# KiCad board motorgo_core_panel.kicad_pcb (continued)
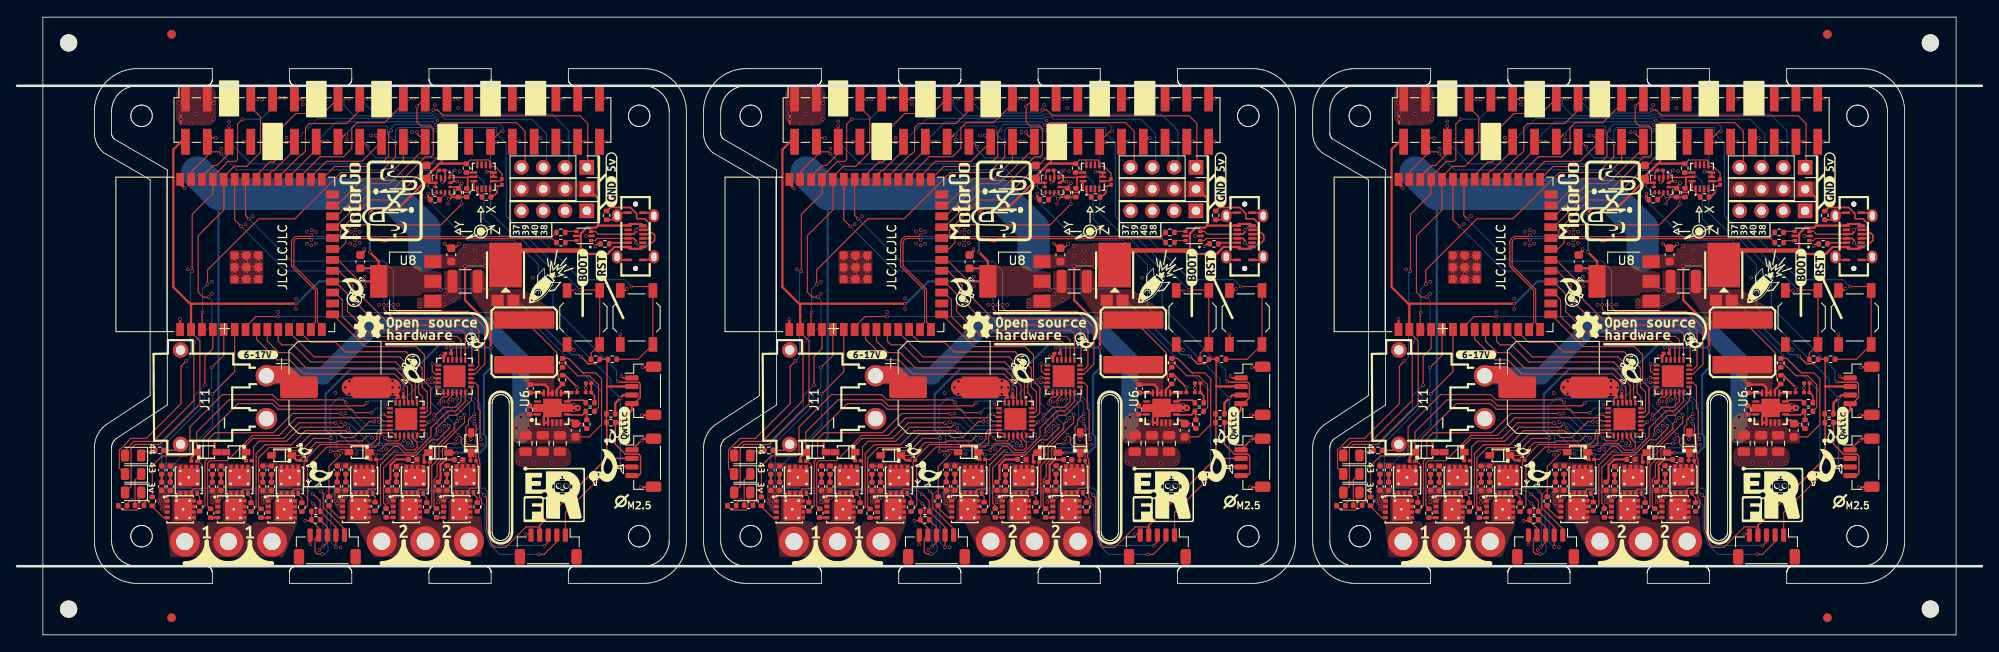
[diagram p0: board, top side]
## Routing (per net, layer and track width the routed paths; a pad name or vN(x,y) marks a point on that pad's centre or on a via; arc(x,y) is an arc through that point) (continued)
Board_2-Net-(U3-VS2): length 26.9
  Top w0.12: v1(187.1,22.65) U3#2.15 ; 168.22,16.38 168.22,16.8 168.4,16.97 169.32,16.97 169.53,17.17 169.53,21.9 170.2,22.57 173.4,22.57 175.03,24.2 179.86,24.2 v1(180.24,24.58)
  Bottom w0.12: v1(187.1,22.65) 186.8,22.35 183.05,22.35 180.82,24.58 v1(180.24,24.58)
Board_2-Net-(U3-VS3): length 16.9
  Top w0.12: 174.1,16.38 174.1,16.8 174.31,17 175.22,17 175.45,17.23 175.45,20.31 177.33,22.19 183.29,22.19 183.94,22.83 183.94,23.58 184.25,23.9 U3#2.12
Board_2-Net-(U4-HO1): length 21.5
  Top w0.12: 194.95,28.9 194.95,27.34 193.21,25.6 192.4,25.6 190.84,24.05 190.84,23.38 v1(190.86,23.36) ; R27#2.1 184.35,15.08 184.35,19.8 185.97,21.42 v1(186.2,21.42)
  Bottom w0.12: v1(186.2,21.42) 186.38,21.25 188.8,21.25 190.86,23.31 v1(190.86,23.36)
Board_2-Net-(U4-HO2): length 16
  Top w0.12: v1(193.28,27.54) 193.22,27.6 U4.16 ; v1(194.14,25.64) 194.14,24.74 191.16,21.76 191.16,20.56 190.32,19.72 190.32,14.97 R23.1
  Bottom w0.12: v1(194.14,25.64) 193.28,26.5 v1(193.28,27.54)
Board_2-Net-(U4-HO3): length 17.8
  Top w0.12: v1(191.34,28.21) 191.69,28.21 U4.13 ; R21.1 196.13,14.9 196.13,15.77 195.9,16 195.9,17.18 195.94,17.23 195.94,19.95 195.9,19.99 195.9,20.5 195.78,20.62 195.78,22.26 195.5,22.54 195.5,24.41 v1(195.3,24.61)
  Bottom w0.12: v1(195.3,24.61) 195.23,24.61 194.72,25.12 194.72,27.02 193.53,28.21 v1(191.34,28.21)
Board_2-Net-(U4-LO1): length 25.4
  Top w0.12: R26#3.2 178.35,19.62 179.73,21 v1(179.73,21.19) ; U4.11 190.4,29.4 v1(190.36,29.45)
  Bottom w0.12: v1(190.36,29.45) 190.25,29.34 189.04,29.34 187.3,27.6 179.4,27.6 178.46,26.66 178.46,24.03 179.2,23.29 179.2,21.72 v1(179.73,21.19)
Board_2-Net-(U4-LO2): length 22.7
  Top w0.12: R22#3.2 184.97,14.74 184.97,15.08 184.71,15.34 184.71,19.49 186.18,20.95 188.47,20.95 190.25,22.73 191.03,22.73 192.35,24.05 v1(192.35,24.38) ; v1(190.37,30) 190.64,30 190.73,29.9 U4.10
  Bottom w0.12: v1(190.37,30) 190.58,30 190.94,29.64 190.94,29.3 190.2,28.56 190.2,27.09 191.79,25.5 191.79,24.96 192.35,24.4 v1(192.35,24.38)
Board_2-Net-(U4-LO3): length 24.7
  Top w0.12: R20.2 190.59,15.01 190.59,18.08 190.95,18.44 190.95,19.9 191.58,20.53 191.58,21.66 192.22,22.3 v1(193,22.3) ; v1(190.38,31.57) 190.38,30.75 190.73,30.4 U4.9
  Bottom w0.12: v1(190.38,31.57) 191.33,31.57 195.92,26.98 195.92,24.22 195.46,23.76 194.86,23.76 193.4,22.3 v1(193,22.3)
Board_2-Net-(U4-VS1): length 20.5
  Top w0.12: U4.18 194.22,27.19 193.14,26.1 192.2,26.1 190.22,24.12 190.22,23.12 188.32,21.22 187.14,21.22 186.39,21.97 185.9,21.97 184.38,20.45 C34.1 183.97,20.3 183.97,17.2 183.76,16.98 182.93,16.98 182.78,16.83 182.78,16.41
Board_2-Net-(U4-VS2): length 14.9
  Top w0.12: 188.68,16.41 188.68,16.83 188.82,16.98 189.74,16.98 190.05,17.29 190.05,20.08 C39#3.1 190.79,20.82 190.79,21.84 193,24.05 193,24.6 v1(193.3,24.9) ; v1(192.25,27.17) 192.25,27.47 192.72,27.95 U4.15
  Bottom w0.12: v1(193.3,24.9) 193.28,24.92 193.28,25.68 192.25,26.71 v1(192.25,27.17)
Board_2-Net-(U4-VS3): length 18.4
  Top w0.12: v1(190.91,28.55) 190.91,28.74 U4.12 ; v1(195.3,25.71) 195.27,25.71 194.6,25.04 194.6,24.5 194.3,24.2 194.3,22.4 194.56,22.14 195.22,22.14 195.47,21.89 195.47,20.09 195.71,19.85 195.71,17.33 195.48,17.1 194.83,17.1 194.56,16.83 194.56,16.41
  Bottom w0.12: v1(195.3,25.71) 195.3,27.04 193.69,28.65 191.01,28.65 v1(190.91,28.55)
Board_2-Net-(U6-BOOT): length 1.6
  Top w0.25: C22#3.2 202.72,28.22 202.76,28.17 U6#3.13
Board_2-Net-(U6-COMP): length 2.2
  Top w0.18: R19#2.1 207.97,27.35 206.21,27.35
Board_2-Net-(U6-EN): length 3.7
  Top w0.12: R17#2.1 205.06,29.74 205.06,30.69 R16#3.2
  Top w0.25: R17#2.1 204.88,28.56 U6#3.10
Board_2-Net-(U6-RT/CLK): length 1
  Top w0.18: 202.66,25.64 202.61,25.69 R18#3.1
Board_2-Net-(U6-SS/TR): length 1.2
  Top w0.25: U6#3.9 206.57,28.17
Board_2-Net-(U6-VSENSE): length 3.4
  Top w0.18: 206.11,25.64 207.87,25.64 R24.2 208.38,25.94 R25#2.1
Board_2-Net-(U10-C1): length 0.9
  Top w0.12: C30.2 190.89,53.85 U10.4
Board_2-Net-(U10-SD0/SA1): length 1.1
  Top w0.12: 191.26,50.74 191.89,51.37 U10.9
Board_2-Net-(U11-CS): length 0.9
  Top w0.18: R50#2.1 195.23,53.89
Board_2-Net-(U11-SDO/SA0): length 1.2
  Top w0.12: R49.1 195.63,51.59 U11#3.1
Board_2-p7: length 1.7
  Top w0.12: J4.8 168.41,57.49 v1(168.39,57.47)
  Bottom w0.12: J7#3.7 169.23,57.47 v1(168.39,57.47)
Board_2-p12: length 2
  Top w0.12: J4.11 174.44,62.4 v1(175.28,62.4)
  Bottom w0.12: v1(175.28,62.4) 175.18,62.5 J7#3.12
Board_2-p26: length 1.4
  Top w0.12: J4.25 192.77,62.53 v1(192.8,62.5)
  Bottom w0.12: 192.09,62.52 192.78,62.52 v1(192.8,62.5)
Board_2-p31: length 1.6
  Top w0.12: J4.32 200.49,57.49 v1(200.5,57.5)
  Bottom w0.12: v1(200.5,57.5) 199.73,57.5
Board_2-p32: length 1.6
  Top w0.12: J4.31 200.47,62.53 v1(200.5,62.5)
  Bottom w0.12: v1(200.5,62.5) 200.48,62.52 199.71,62.52
Board_2-p33: length 1.2
  Top w0.18: v1(203,57.9) 202.67,57.9 J4.34
  Bottom w0.18: v1(203,57.9) 202.67,57.9
Board_2-p35: length 1.4
  Top w0.12: J4.36 205.49,57.49 v1(205.5,57.5)
  Bottom w0.12: v1(205.5,57.5) 204.81,57.5
Board_2-p36: length 1.6
  Top w0.12: v1(205.6,62.5) 205.57,62.53 J4.35
  Bottom w0.12: 204.79,62.52 205.58,62.52 v1(205.6,62.5)
Board_2-p37: length 1.5
  Top w0.12: v1(208.1,57.5) 208.09,57.49 J4.38
  Bottom w0.12: 207.33,57.48 208.08,57.48 v1(208.1,57.5)
Board_2-p38: length 1.4
  Top w0.12: J4.37 207.97,62.53 v1(208,62.5)
  Bottom w0.12: v1(208,62.5) 207.98,62.52 207.33,62.52
Board_2-p40: length 1.5
  Top w0.18: v1(210.63,62.53) J4.39
  Bottom w0.18: v1(210.63,62.53) 209.88,62.53
Board_2-reset: length 102.6
  Top w0.12: v1(163.6,37.6) 163.54,37.54 U1#3.3 ; v1(186.1,57.3) 186.1,55.7 184.3,53.9 179.77,53.9 174.37,48.5 170.16,48.5 164.19,42.54 v1(164.19,40.89) ; v1(213.6,40.6) 215.65,40.6 J3#3.1 J3#3.1 214.38,32.12 R9.2
  Top w0.16: v1(180.38,58.29) 180.19,58.29 J4.16
  Bottom w0.12: v1(213.6,40.6) 212.8,41.4 207.7,41.4 201.4,47.7 200.1,47.7 199,48.8 199,57.3 197.86,58.44 197.86,59.14 191.49,59.14 191.05,58.7 190.59,58.7 190.15,59.14 186.44,59.14 186.1,58.8 186.1,57.7 ; v1(186.1,57.3) 186.1,57.7 ; 186.1,57.7 185.8,57.7 185.16,58.34 185.16,59.14 185,59.3 181.24,59.3 J7#3.15 ; v1(164.19,40.89) 163.6,40.3 v1(163.6,37.6)
Board_2-scl: length 89.9
  Top w0.12: 163.54,53.39 164.85,54.7 165.29,54.7 166.7,56.11 v1(166.7,59.3)
  Top w0.16: J13.4 213.92,26.95 214.62,27.65 214.62,29.26 214.43,29.45 212.13,29.45 v1(212.05,29.53) ; R31#3.2 211.72,22.22 212.88,21.07 214.42,21.07 214.66,20.83 214.66,18.8 214.42,18.57 J15.4
  Top w0.25: R31#3.2 212.18,24.74 213.65,26.21 J13.4
  Bottom w0.12: v1(212.05,29.53) 211.86,29.72 211.86,30.84 204.46,38.24 204.46,42.44 200.4,46.5 198.4,46.5 196.4,48.5 196.4,52.8 194.3,54.9 169.26,54.9 J7#3.5 ; 166.69,57.48 166.69,59.29 v1(166.7,59.3)
Board_2-sda: length 85.5
  Top w0.12: v1(165.8,56.11) 165.76,56.11 165.57,56.3 164.68,56.3 164.15,56.83 J4.4 164.6,57.93 ; 164.6,57.93 164.6,56.28 162.34,54.02 162.34,53.16 U1#3.39 ; 164.6,57.93 v1(165.16,57.93)
  Top w0.16: J15.3 213.56,19.66 v1(212.43,19.66)
  Top w0.25: R30#3.2 211.71,27.01 v1(212.3,27.6) 212.65,27.95 J13.3
  Bottom w0.12: v1(165.8,56.11) 165.8,56 167.6,54.2 186.3,54.2 194.5,46 199.9,46 202.75,43.15 202.75,38.25 211.2,29.8 211.2,28.7 v1(212.3,27.6) ; J7#3.3 164.63,57.93 v1(165.16,57.93)
  Bottom w0.16: v1(212.3,27.6) 212.3,19.79 v1(212.43,19.66)
Board_2-usb_d+: length 43
  Top w0.12: v1(181.41,46) 181.59,46.18 184.28,46.18 arc(184.41,46.13) 184.46,46 arc(184.52,45.87) 184.64,45.82 185.02,45.82 arc(185.15,45.87) 185.2,46 arc(185.26,46.13) 185.38,46.18 204.41,46.18 R6.1 ; 177.51,35.89 177,36.41 177,40.27 174.25,43.02 174.25,45.69 arc(174.38,46.03) 174.7,46.2 176.15,46.2 arc(176.26,46.16) v1(176.3,46.05)
  Bottom w0.12: v1(181.41,46) 181.21,46.2 176.45,46.2 v1(176.3,46.05)
Board_2-usb_d-: length 43
  Top w0.12: 176.24,35.89 176.75,36.41 176.75,40.18 173.98,42.96 173.98,45.77 arc(174.23,46.25) 174.73,46.44 176.14,46.44 v1(176.3,46.6) ; v1(181.4,46.6) 181.58,46.42 204.37,46.42 R7.1
  Bottom w0.12: v1(176.3,46.6) 176.46,46.44 181.24,46.44 v1(181.4,46.6)

## Copper pours and planes (outline as drawn; the poured copper is in the pictures)
Board_0-+3.3V on Top: 41.2,43 46.7,43 49.5,42.2 49.5,40.1 46.6,39.5 41.2,39.4
Board_0-+5V on Top: 18.5,64.3 18.5,59.4 23.2,59.4 23.2,64.3
Board_0-+5V on Top: 52.17,45.6 49.79,44.35 47.4,44.35 47.4,42.7 57.8,42.7 58.2,43.1 58.2,45.6
Board_0-+5V on Top, Bottom: 57.5,52.9 67.5,52.9 67.6,52.8 67.6,51 57.5,51
Board_0-+5V on Bottom: 17.8,59.5 17.8,63.5 23.4,63.5 23.4,53.4 19.4,52.9 18.7,54.6
Board_0-+5V on Bottom: 45.6,45.66 54.8,45.6 54.8,42 53.1,42 46.54,41.99 45.6,42.86
Board_0-+BATT on Top: 22.44,20.1 22.45,19.43 22.65,19.3 23.95,19.3 24.25,18.56 24.25,17.25 24.45,17.05 27.25,17.05 27.48,17.28 27.48,19.45 27.23,19.95 24.67,19.95 24.22,20.1
Board_0-+BATT on Top: 43.78,20.1 43.78,19.12 44.53,19.03 44.7,18.59 44.7,17.28 44.9,17.08 47.7,17.08 47.92,17.3 47.92,19.48 47.67,19.98 47.04,19.98 47.04,20.91 46.22,20.91 45.97,19.98 45.12,19.98 44.67,20.1
Board_0-+BATT on Top: 36.99,20.13 37,19.46 37.2,19.33 38.5,19.33 38.8,18.59 38.8,17.28 39,17.08 41.8,17.08 42.03,17.31 42.03,19.48 41.78,19.98 39.22,19.98 38.77,20.13
Board_0-+BATT on Top: 57.7,25 58.6,25.9 59.3,25.9 60.1,25.1 60.6,25.1 63.85,25.1 64.43,24.05 65.8,23.8 65.8,22.3 58.1,22.3 57.7,22.7
Board_0-+BATT on Top: 28.32,20.1 28.33,19.43 28.53,19.3 29.83,19.3 30.13,18.56 30.13,17.25 30.33,17.05 33.13,17.05 33.36,17.28 33.36,19.45 33.11,19.95 30.56,19.95 30.09,20.1
Board_0-+BATT on Top: 49.77,20.1 49.78,19.43 50.28,19.33 50.58,18.59 50.58,17.28 50.78,17.08 53.58,17.08 53.81,17.3 53.81,19.48 53.56,19.98 52.28,20.65 51.64,20.65 51,19.98 50.55,20.13
Board_0-+BATT on Top: 16.54,20.11 16.55,19.44 16.75,19.31 18.05,19.31 18.35,18.56 18.35,17.25 18.55,17.06 21.35,17.06 21.58,17.28 21.58,19.45 21.33,19.95 18.77,19.95 18.31,20.11
Board_0-+BATT on Bottom: 36.91,21.37 35.4,25.55 33.81,30.3 30.3,30.3 30.15,30.8 27.95,30.8 22.8,21.65 18.65,19.95 18.15,19.25 18.15,17.15 53.8,17.1 53.8,20.25 37.68,21.14
Board_0-GND on Top: 16.4,16.83 16.4,15.33 17.12,14.19 18.2,14.19 18.2,16.19 18.31,16.39 18.35,17.44 16.39,17.44
Board_0-GND on Top: 36.85,16.86 36.85,15.36 37.57,14.21 38.65,14.21 38.65,16.21 38.76,16.42 38.8,17.46 36.84,17.46
Board_0-GND on Top: 57.99,21.96 64.59,21.96 64.59,19.55 57.99,19.55
Board_0-GND on Top: 24.75,44.81 24.75,40.88 28.7,40.88 28.7,44.81
Board_0-GND on Top: 49.6,42.7 51.8,42.6 51.8,39.2 49.5,38 46.6,38 46.6,40 49.6,40
Board_0-GND on Top: 22.3,16.83 22.3,15.33 23.02,14.18 24.1,14.18 24.1,16.18 24.21,16.39 24.25,17.43 22.29,17.43
Board_0-GND on Top: 48.63,16.86 48.63,15.36 49.35,14.21 50.43,14.21 50.43,16.21 50.54,16.42 50.58,17.46 48.62,17.46
Board_0-GND on Top: 42.75,16.86 42.75,15.36 43.47,14.21 44.55,14.21 44.55,16.21 44.66,16.42 44.7,17.46 42.74,17.46
Board_0-GND on Top: 28.18,16.83 28.18,15.33 28.9,14.18 29.98,14.18 29.98,16.18 30.09,16.39 30.13,17.43 28.17,17.43
Board_0-GND on In1.Cu: 69.5,59.5 71.25,57.5 76,57.5 76,14.55 71,14.5 69.5,12.5 69.5,8 17.35,8 17.35,12.5 15.75,14.35 11,14.35 11,22.3 17.71,26.74 17.7,54.25 17.75,59.5 17.75,63.5 69.5,63.5
Board_0-GND on In1.Cu, In2.Cu: 17.75,63.5 69.5,63.5 69.5,59.5 71.25,57.5 76,57.5 76,14.55 71,14.5 69.5,12.5 69.5,8 17.35,8 17.35,12.5 15.75,14.35 11,14.35 11,22.3 17.71,26.74 17.7,54.25 17.75,59.5
Board_0-Net-(C22-Pad1) on Top: 55.6,31.6 62.6,31.6 62.6,27.8 61.7,27.8 61.7,28.7 61.4,29 59.7,29 58.3,30.4 55.6,30.4
Board_0-Net-(C23-Pad1) on Top: 52.82,39.77 55.61,35.73 62.64,35.73 62.64,37.73 58.81,40.38 54.88,40.38 54.38,42.54 52.82,42.56
Board_0-Net-(U3-VS1) on Top: 20.62,16.86 20.62,16.01 20.87,15.96 20.87,13.01 17.42,13.01 18.2,16.86
Board_0-Net-(U3-VS1) on Top, Bottom: 17.42,13.01 17.85,9.05 21.85,9.05 21.85,13.1 17.95,13.85
Board_0-Net-(U3-VS1) on Bottom: 20.68,16 21.85,13.1 19.9,13.1 17.42,13.01 17.96,16
Board_0-Net-(U3-VS2) on Top: 26.52,16.86 26.52,16 26.77,15.95 26.77,13 23.32,13 23.32,16.86
Board_0-Net-(U3-VS2) on Top, Bottom: 22.1,9.05 27.25,9.05 27.25,13 23.9,13.85 22.1,13.1
Board_0-Net-(U3-VS2) on Bottom: 26.55,16 27.25,13 25.8,13.1 22.1,13.1 23.78,16
Board_0-Net-(U3-VS3) on Top: 32.4,16.86 32.4,16 32.65,15.95 32.65,13 29.2,13 29.2,16.86
Board_0-Net-(U3-VS3) on Top, Bottom: 27.4,9.05 31.05,9.05 32.65,13 29.7,13.9 27.4,13.05
Board_0-Net-(U3-VS3) on Bottom: 32.39,15.98 32.65,13 30.2,13.08 27.4,13.05 29.63,15.98
Board_0-Net-(U4-VS1) on Top: 41.07,16.89 41.07,16.04 41.32,15.99 41.32,13.04 37.87,13.04 37.87,16.89
Board_0-Net-(U4-VS1) on Top, Bottom: 39.45,13.05 41.5,9.05 44.7,9.05 44.7,12.95 42.25,13.95 40.8,13.95
Board_0-Net-(U4-VS1) on Bottom: 41.05,16.2 44.7,12.95 40.8,10.4 38.45,13.15 38.45,16.2
Board_0-Net-(U4-VS2) on Top: 46.97,16.88 46.97,16.03 47.22,15.98 47.22,13.03 43.77,13.03 43.77,16.88
Board_0-Net-(U4-VS2) on Top, Bottom: 44.95,9.05 50.1,9.05 50.1,12.95 46.75,13.85 44.95,13.1
Board_0-Net-(U4-VS2) on Bottom: 46.95,16.2 50.1,12.95 44.95,13.1 44.35,13.35 44.35,16.2
Board_0-Net-(U4-VS3) on Top: 52.85,16.88 52.85,16.03 53.1,15.98 53.1,13.03 49.65,13.03 49.65,16.88
Board_0-Net-(U4-VS3) on Top, Bottom: 50.25,9.05 54.05,9.1 54.4,11 54.05,13.9 52.55,13.9 50.25,13.05
Board_0-Net-(U4-VS3) on Bottom: 52.83,16.21 54.05,13.9 52.13,13.11 50.25,13.05 50.23,16.21
Board_1-+3.3V on Top: 112.2,43 117.7,43 120.5,42.2 120.5,40.1 117.6,39.5 112.2,39.4
Board_1-+5V on Top: 123.17,45.6 120.79,44.35 118.4,44.35 118.4,42.7 128.8,42.7 129.2,43.1 129.2,45.6
Board_1-+5V on Top: 89.5,64.3 89.5,59.4 94.2,59.4 94.2,64.3
Board_1-+5V on Top, Bottom: 128.5,52.9 138.5,52.9 138.6,52.8 138.6,51 128.5,51
Board_1-+5V on Bottom: 116.6,45.66 125.8,45.6 125.8,42 124.1,42 117.54,41.99 116.6,42.86
Board_1-+5V on Bottom: 88.8,59.5 88.8,63.5 94.4,63.5 94.4,53.4 90.4,52.9 89.7,54.6
Board_1-+BATT on Top: 87.54,20.11 87.55,19.44 87.75,19.31 89.05,19.31 89.35,18.56 89.35,17.25 89.55,17.06 92.35,17.06 92.58,17.28 92.58,19.45 92.33,19.95 89.78,19.95 89.31,20.11
Board_1-+BATT on Top: 93.44,20.1 93.45,19.43 93.65,19.3 94.95,19.3 95.25,18.56 95.25,17.25 95.45,17.05 98.25,17.05 98.47,17.28 98.47,19.45 98.22,19.95 95.68,19.95 95.22,20.1
Board_1-+BATT on Top: 128.7,25 129.6,25.9 130.3,25.9 131.1,25.1 131.6,25.1 134.85,25.1 135.43,24.05 136.8,23.8 136.8,22.3 129.1,22.3 128.7,22.7
Board_1-+BATT on Top: 120.77,20.1 120.78,19.43 121.28,19.33 121.58,18.59 121.58,17.28 121.78,17.08 124.58,17.08 124.81,17.3 124.81,19.48 124.56,19.98 123.28,20.65 122.64,20.65 122,19.98 121.54,20.13
Board_1-+BATT on Top: 99.32,20.1 99.33,19.43 99.53,19.3 100.83,19.3 101.13,18.56 101.13,17.25 101.33,17.05 104.13,17.05 104.35,17.28 104.35,19.45 104.1,19.95 101.56,19.95 101.09,20.1
Board_1-+BATT on Top: 107.99,20.13 108,19.46 108.2,19.33 109.5,19.33 109.8,18.59 109.8,17.28 110,17.08 112.8,17.08 113.03,17.31 113.03,19.48 112.78,19.98 110.22,19.98 109.76,20.13
Board_1-+BATT on Top: 114.78,20.1 114.78,19.12 115.53,19.03 115.7,18.59 115.7,17.28 115.9,17.08 118.7,17.08 118.93,17.3 118.93,19.48 118.68,19.98 118.04,19.98 118.04,20.91 117.22,20.91 116.97,19.98 116.12,19.98 115.66,20.1
Board_1-+BATT on Bottom: 107.91,21.37 106.4,25.55 104.81,30.3 101.3,30.3 101.15,30.8 98.95,30.8 93.8,21.65 89.65,19.95 89.15,19.25 89.15,17.15 124.8,17.1 124.8,20.25 108.68,21.14
Board_1-GND on Top: 95.75,44.81 95.75,40.88 99.7,40.88 99.7,44.81
Board_1-GND on Top: 120.6,42.7 122.8,42.6 122.8,39.2 120.5,38 117.6,38 117.6,40 120.6,40
Board_1-GND on Top: 128.99,21.96 135.59,21.96 135.59,19.55 128.99,19.55
Board_1-GND on Top: 93.3,16.83 93.3,15.33 94.02,14.18 95.1,14.18 95.1,16.18 95.21,16.39 95.25,17.43 93.29,17.43
Board_1-GND on Top: 119.63,16.86 119.63,15.36 120.35,14.21 121.43,14.21 121.43,16.21 121.54,16.42 121.58,17.46 119.62,17.46
Board_1-GND on Top: 107.85,16.86 107.85,15.36 108.57,14.21 109.65,14.21 109.65,16.21 109.76,16.42 109.8,17.46 107.84,17.46
Board_1-GND on Top: 87.4,16.83 87.4,15.33 88.12,14.19 89.2,14.19 89.2,16.19 89.31,16.39 89.35,17.44 87.39,17.44
Board_1-GND on Top: 99.18,16.83 99.18,15.33 99.9,14.18 100.98,14.18 100.98,16.18 101.09,16.39 101.13,17.43 99.17,17.43
Board_1-GND on Top: 113.75,16.86 113.75,15.36 114.47,14.21 115.55,14.21 115.55,16.21 115.66,16.42 115.7,17.46 113.74,17.46
Board_1-GND on In1.Cu: 140.5,59.5 142.25,57.5 147,57.5 147,14.55 142,14.5 140.5,12.5 140.5,8 88.35,8 88.35,12.5 86.75,14.35 82,14.35 82,22.3 88.71,26.74 88.7,54.25 88.75,59.5 88.75,63.5 140.5,63.5
Board_1-GND on In1.Cu, In2.Cu: 88.75,63.5 140.5,63.5 140.5,59.5 142.25,57.5 147,57.5 147,14.55 142,14.5 140.5,12.5 140.5,8 88.35,8 88.35,12.5 86.75,14.35 82,14.35 82,22.3 88.71,26.74 88.7,54.25 88.75,59.5
Board_1-Net-(C22-Pad1) on Top: 126.6,31.6 133.6,31.6 133.6,27.8 132.7,27.8 132.7,28.7 132.4,29 130.7,29 129.3,30.4 126.6,30.4
Board_1-Net-(C23-Pad1) on Top: 123.82,39.77 126.61,35.73 133.64,35.73 133.64,37.73 129.81,40.38 125.88,40.38 125.38,42.54 123.82,42.56
Board_1-Net-(U3-VS1) on Top: 91.62,16.86 91.62,16.01 91.87,15.96 91.87,13.01 88.42,13.01 89.2,16.86
Board_1-Net-(U3-VS1) on Top, Bottom: 88.42,13.01 88.85,9.05 92.85,9.05 92.85,13.1 88.95,13.85
Board_1-Net-(U3-VS1) on Bottom: 91.68,16 92.85,13.1 90.9,13.1 88.42,13.01 88.96,16
Board_1-Net-(U3-VS2) on Top: 97.52,16.86 97.52,16 97.77,15.95 97.77,13 94.32,13 94.32,16.86
Board_1-Net-(U3-VS2) on Top, Bottom: 93.1,9.05 98.25,9.05 98.25,13 94.9,13.85 93.1,13.1
Board_1-Net-(U3-VS2) on Bottom: 97.55,16 98.25,13 96.8,13.1 93.1,13.1 94.78,16
Board_1-Net-(U3-VS3) on Top: 103.4,16.86 103.4,16 103.65,15.95 103.65,13 100.2,13 100.2,16.86
Board_1-Net-(U3-VS3) on Top, Bottom: 98.4,9.05 102.05,9.05 103.65,13 100.7,13.9 98.4,13.05
Board_1-Net-(U3-VS3) on Bottom: 103.39,15.98 103.65,13 101.2,13.08 98.4,13.05 100.63,15.98
Board_1-Net-(U4-VS1) on Top: 112.07,16.89 112.07,16.04 112.32,15.99 112.32,13.04 108.87,13.04 108.87,16.89
Board_1-Net-(U4-VS1) on Top, Bottom: 110.45,13.05 112.5,9.05 115.7,9.05 115.7,12.95 113.25,13.95 111.8,13.95
Board_1-Net-(U4-VS1) on Bottom: 112.05,16.2 115.7,12.95 111.8,10.4 109.45,13.15 109.45,16.2
Board_1-Net-(U4-VS2) on Top: 117.97,16.88 117.97,16.03 118.22,15.98 118.22,13.03 114.77,13.03 114.77,16.88
Board_1-Net-(U4-VS2) on Top, Bottom: 115.95,9.05 121.1,9.05 121.1,12.95 117.75,13.85 115.95,13.1
Board_1-Net-(U4-VS2) on Bottom: 117.95,16.2 121.1,12.95 115.95,13.1 115.35,13.35 115.35,16.2
Board_1-Net-(U4-VS3) on Top: 123.85,16.88 123.85,16.03 124.1,15.98 124.1,13.03 120.65,13.03 120.65,16.88
Board_1-Net-(U4-VS3) on Top, Bottom: 121.25,9.05 125.05,9.1 125.4,11 125.05,13.9 123.55,13.9 121.25,13.05
Board_1-Net-(U4-VS3) on Bottom: 123.83,16.21 125.05,13.9 123.13,13.11 121.25,13.05 121.23,16.21
Board_2-+3.3V on Top: 183.2,43 188.7,43 191.5,42.2 191.5,40.1 188.6,39.5 183.2,39.4
Board_2-+5V on Top: 194.17,45.6 191.79,44.35 189.4,44.35 189.4,42.7 199.8,42.7 200.2,43.1 200.2,45.6
Board_2-+5V on Top: 160.5,64.3 160.5,59.4 165.2,59.4 165.2,64.3
Board_2-+5V on Top, Bottom: 199.5,52.9 209.5,52.9 209.6,52.8 209.6,51 199.5,51
Board_2-+5V on Bottom: 159.8,59.5 159.8,63.5 165.4,63.5 165.4,53.4 161.4,52.9 160.7,54.6
Board_2-+5V on Bottom: 187.6,45.66 196.8,45.6 196.8,42 195.1,42 188.54,41.99 187.6,42.86
Board_2-+BATT on Top: 170.32,20.1 170.33,19.43 170.53,19.3 171.83,19.3 172.13,18.56 172.13,17.25 172.33,17.05 175.13,17.05 175.35,17.28 175.35,19.45 175.1,19.95 172.56,19.95 172.09,20.1
Board_2-+BATT on Top: 191.77,20.1 191.78,19.43 192.28,19.33 192.58,18.59 192.58,17.28 192.78,17.08 195.58,17.08 195.81,17.3 195.81,19.48 195.56,19.98 194.28,20.65 193.64,20.65 193,19.98 192.54,20.13
Board_2-+BATT on Top: 199.7,25 200.6,25.9 201.3,25.9 202.1,25.1 202.6,25.1 205.85,25.1 206.43,24.05 207.8,23.8 207.8,22.3 200.1,22.3 199.7,22.7
Board_2-+BATT on Top: 178.99,20.13 179,19.46 179.2,19.33 180.5,19.33 180.8,18.59 180.8,17.28 181,17.08 183.8,17.08 184.03,17.31 184.03,19.48 183.78,19.98 181.22,19.98 180.76,20.13
Board_2-+BATT on Top: 158.54,20.11 158.55,19.44 158.75,19.31 160.05,19.31 160.35,18.56 160.35,17.25 160.55,17.06 163.35,17.06 163.57,17.28 163.57,19.45 163.32,19.95 160.78,19.95 160.31,20.11
Board_2-+BATT on Top: 185.78,20.1 185.78,19.12 186.53,19.03 186.7,18.59 186.7,17.28 186.9,17.08 189.7,17.08 189.93,17.3 189.93,19.48 189.68,19.98 189.04,19.98 189.04,20.91 188.22,20.91 187.97,19.98 187.12,19.98 186.66,20.1
Board_2-+BATT on Top: 164.44,20.1 164.45,19.43 164.65,19.3 165.95,19.3 166.25,18.56 166.25,17.25 166.45,17.05 169.25,17.05 169.47,17.28 169.47,19.45 169.22,19.95 166.68,19.95 166.22,20.1
Board_2-+BATT on Bottom: 178.91,21.37 177.4,25.55 175.81,30.3 172.3,30.3 172.15,30.8 169.95,30.8 164.8,21.65 160.65,19.95 160.15,19.25 160.15,17.15 195.8,17.1 195.8,20.25 179.68,21.14
Board_2-GND on Top: 184.75,16.86 184.75,15.36 185.47,14.21 186.55,14.21 186.55,16.21 186.66,16.42 186.7,17.46 184.74,17.46
Board_2-GND on Top: 199.99,21.96 206.59,21.96 206.59,19.55 199.99,19.55
Board_2-GND on Top: 191.6,42.7 193.8,42.6 193.8,39.2 191.5,38 188.6,38 188.6,40 191.6,40
Board_2-GND on Top: 164.3,16.83 164.3,15.33 165.02,14.18 166.1,14.18 166.1,16.18 166.21,16.39 166.25,17.43 164.29,17.43
Board_2-GND on Top: 158.4,16.83 158.4,15.33 159.12,14.19 160.2,14.19 160.2,16.19 160.31,16.39 160.35,17.44 158.39,17.44
Board_2-GND on Top: 178.85,16.86 178.85,15.36 179.57,14.21 180.65,14.21 180.65,16.21 180.76,16.42 180.8,17.46 178.84,17.46
Board_2-GND on Top: 170.18,16.83 170.18,15.33 170.9,14.18 171.98,14.18 171.98,16.18 172.09,16.39 172.13,17.43 170.17,17.43
Board_2-GND on Top: 166.75,44.81 166.75,40.88 170.7,40.88 170.7,44.81
Board_2-GND on Top: 190.63,16.86 190.63,15.36 191.35,14.21 192.43,14.21 192.43,16.21 192.54,16.42 192.58,17.46 190.62,17.46
Board_2-GND on In1.Cu: 211.5,59.5 213.25,57.5 218,57.5 218,14.55 213,14.5 211.5,12.5 211.5,8 159.35,8 159.35,12.5 157.75,14.35 153,14.35 153,22.3 159.71,26.74 159.7,54.25 159.75,59.5 159.75,63.5 211.5,63.5
Board_2-GND on In1.Cu, In2.Cu: 159.75,63.5 211.5,63.5 211.5,59.5 213.25,57.5 218,57.5 218,14.55 213,14.5 211.5,12.5 211.5,8 159.35,8 159.35,12.5 157.75,14.35 153,14.35 153,22.3 159.71,26.74 159.7,54.25 159.75,59.5
Board_2-Net-(C22-Pad1) on Top: 197.6,31.6 204.6,31.6 204.6,27.8 203.7,27.8 203.7,28.7 203.4,29 201.7,29 200.3,30.4 197.6,30.4
Board_2-Net-(C23-Pad1) on Top: 194.82,39.77 197.61,35.73 204.64,35.73 204.64,37.73 200.81,40.38 196.88,40.38 196.38,42.54 194.82,42.56
Board_2-Net-(U3-VS1) on Top: 162.62,16.86 162.62,16.01 162.87,15.96 162.87,13.01 159.42,13.01 160.2,16.86
Board_2-Net-(U3-VS1) on Top, Bottom: 159.42,13.01 159.85,9.05 163.85,9.05 163.85,13.1 159.95,13.85
Board_2-Net-(U3-VS1) on Bottom: 162.68,16 163.85,13.1 161.9,13.1 159.42,13.01 159.96,16
Board_2-Net-(U3-VS2) on Top: 168.52,16.86 168.52,16 168.77,15.95 168.77,13 165.32,13 165.32,16.86
Board_2-Net-(U3-VS2) on Top, Bottom: 164.1,9.05 169.25,9.05 169.25,13 165.9,13.85 164.1,13.1
Board_2-Net-(U3-VS2) on Bottom: 168.55,16 169.25,13 167.8,13.1 164.1,13.1 165.78,16
Board_2-Net-(U3-VS3) on Top: 174.4,16.86 174.4,16 174.65,15.95 174.65,13 171.2,13 171.2,16.86
Board_2-Net-(U3-VS3) on Top, Bottom: 169.4,9.05 173.05,9.05 174.65,13 171.7,13.9 169.4,13.05
Board_2-Net-(U3-VS3) on Bottom: 174.39,15.98 174.65,13 172.2,13.08 169.4,13.05 171.63,15.98
Board_2-Net-(U4-VS1) on Top: 183.07,16.89 183.07,16.04 183.32,15.99 183.32,13.04 179.87,13.04 179.87,16.89
Board_2-Net-(U4-VS1) on Top, Bottom: 181.45,13.05 183.5,9.05 186.7,9.05 186.7,12.95 184.25,13.95 182.8,13.95
Board_2-Net-(U4-VS1) on Bottom: 183.05,16.2 186.7,12.95 182.8,10.4 180.45,13.15 180.45,16.2
Board_2-Net-(U4-VS2) on Top: 188.97,16.88 188.97,16.03 189.22,15.98 189.22,13.03 185.77,13.03 185.77,16.88
Board_2-Net-(U4-VS2) on Top, Bottom: 186.95,9.05 192.1,9.05 192.1,12.95 188.75,13.85 186.95,13.1
Board_2-Net-(U4-VS2) on Bottom: 188.95,16.2 192.1,12.95 186.95,13.1 186.35,13.35 186.35,16.2
Board_2-Net-(U4-VS3) on Top: 194.85,16.88 194.85,16.03 195.1,15.98 195.1,13.03 191.65,13.03 191.65,16.88
Board_2-Net-(U4-VS3) on Top, Bottom: 192.25,9.05 196.05,9.1 196.4,11 196.05,13.9 194.55,13.9 192.25,13.05
Board_2-Net-(U4-VS3) on Bottom: 194.83,16.21 196.05,13.9 194.13,13.11 192.25,13.05 192.23,16.21

## Text on the board
Edge.Cuts: V-CUT
F.Silkscreen: M2.5 | Y | X | Z
